# Altium PCB cheriot-test.PcbDoc (part 2 of 10)
Units mil, origin at the board's own origin, x right, y up, seen from the top; angles counter-clockwise.
Board outline 4921.26 x 3149.61 mil, 8 copper layers (Top Layer, Int1 (Sign), Int2 (GND), Int3 (Sign), Int4 (Sign), Int5 (PWR), Int6 (Sign), Bottom Layer), stack 60.424 mil thick; 468 components, 516 nets, 2293 pads, 1328 vias.
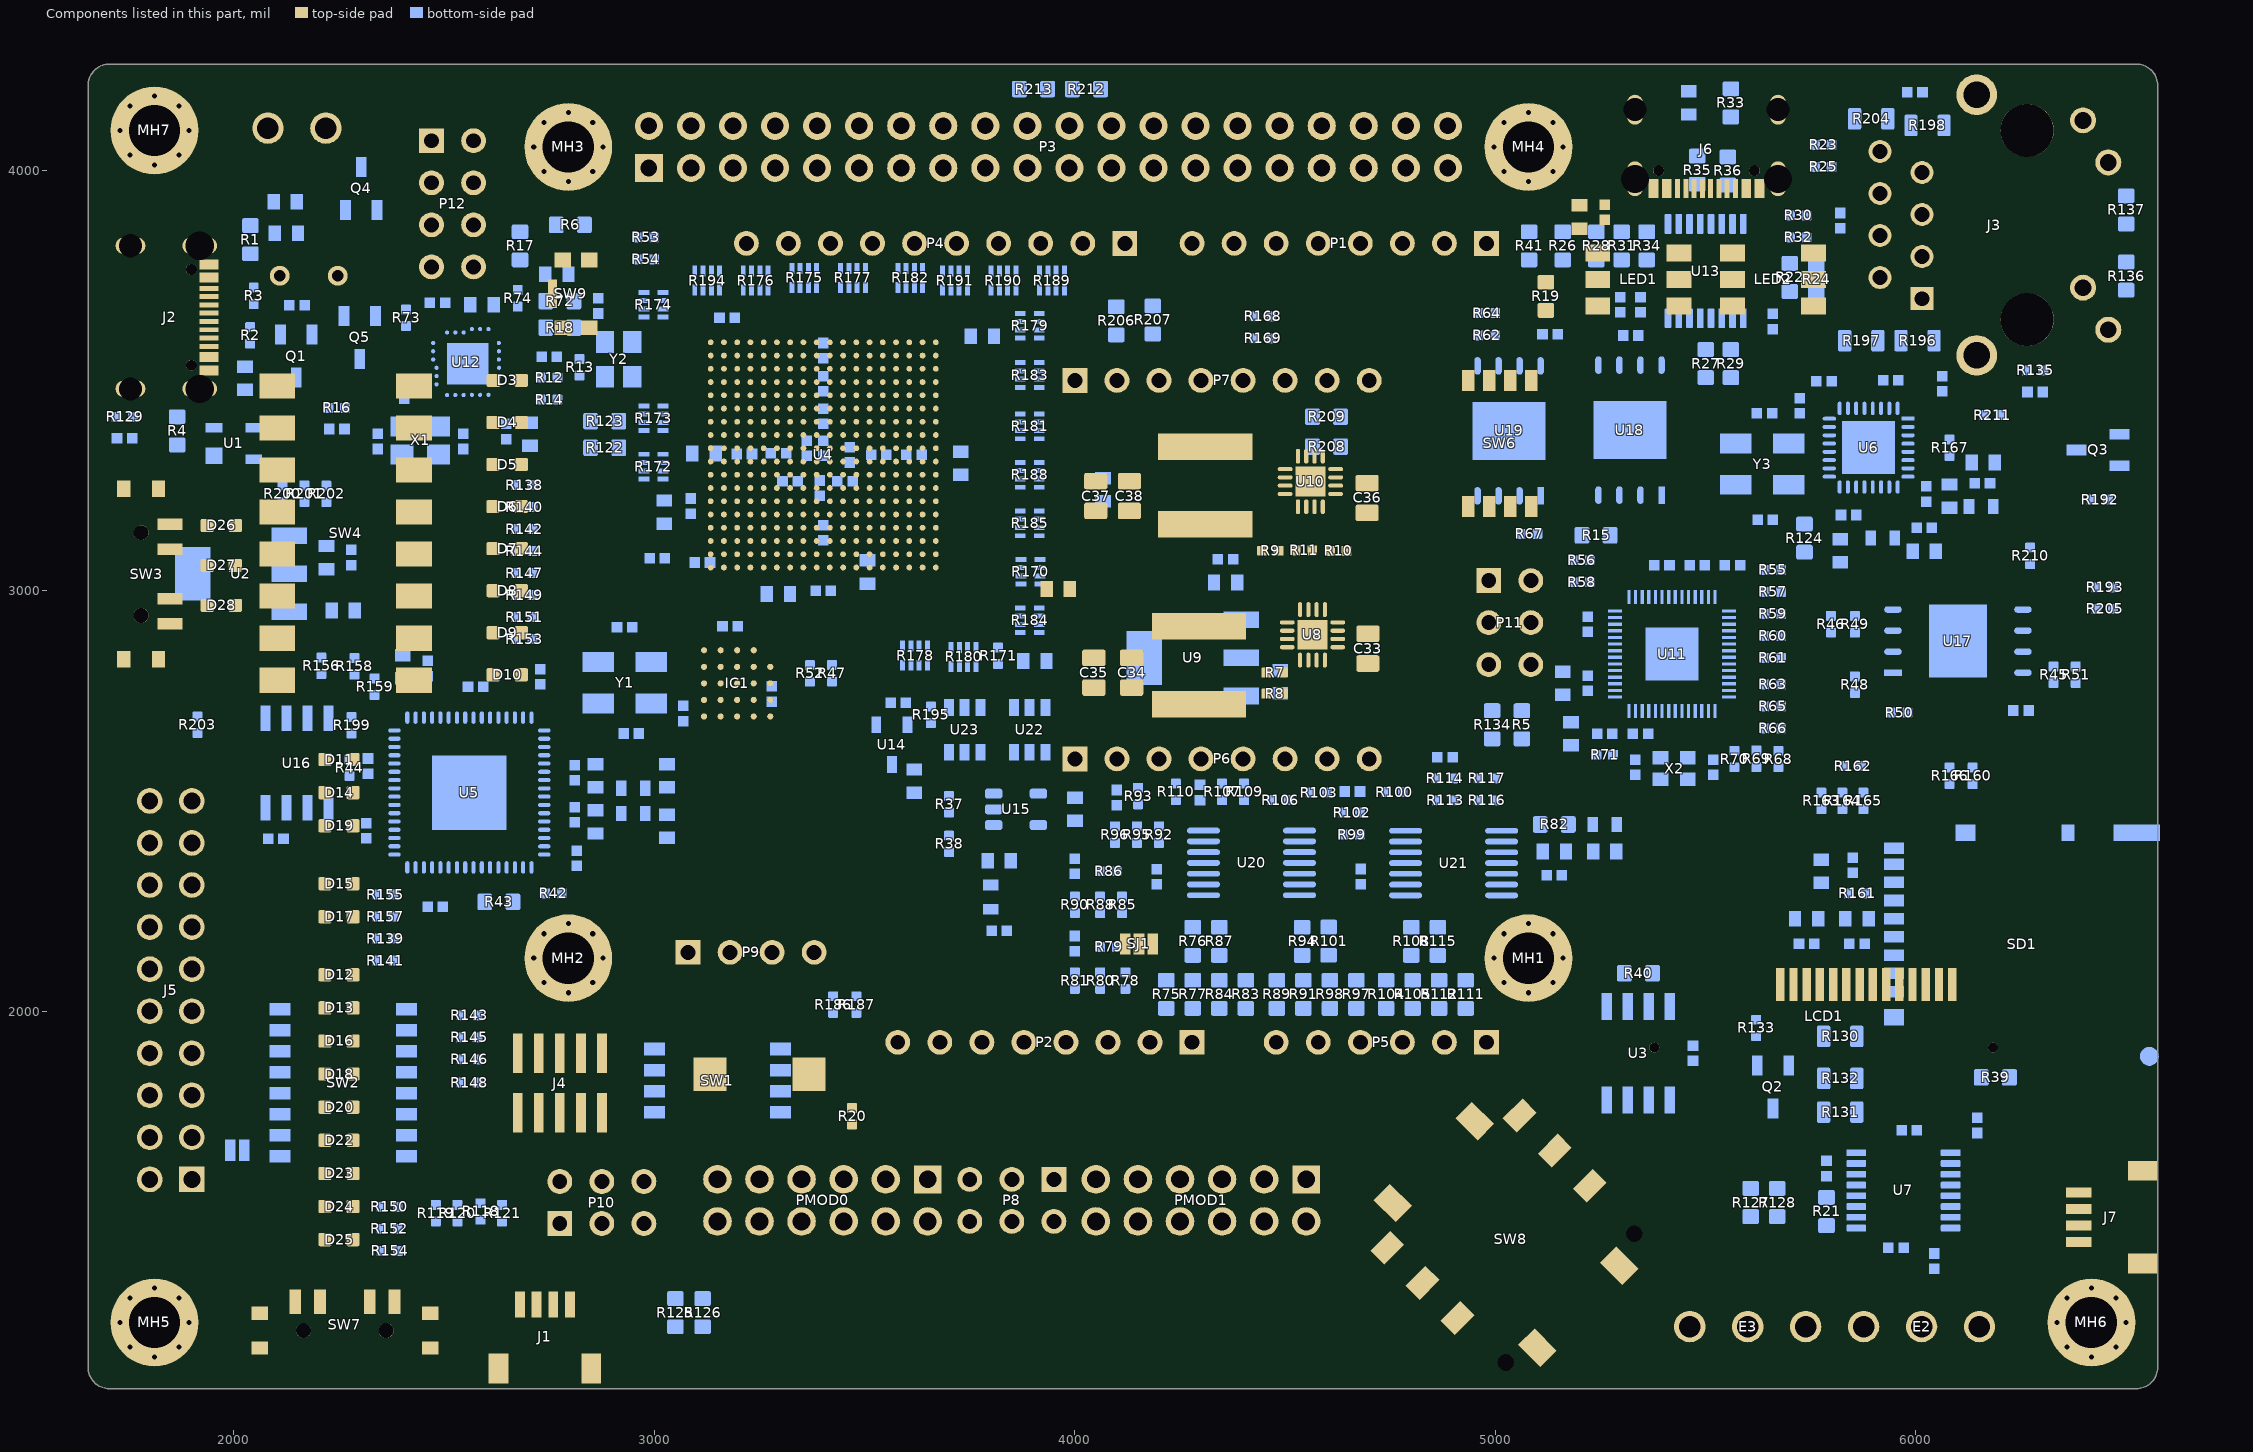
[diagram p8: the components of this part, seen from the top]

## Footprints (in the part's own frame and the unit in brackets; to place one, negate y for a bottom-side part, rotate by r counter-clockwise, add the part's x,y. Pads: shape width x height; smd on the part's side, far side on the other; paste and mask are expansions set on the pad) (continued)
FP-24-S4QFN-4x4B-0_5P-MFG [mm]
  round 0.252 smd paste+0 mask+0: 1(-1.883,1.25) 2(-1.883,0.75) 3(-1.883,0.25) 4(-2.087,-0.25) 5(-2.087,-0.75) 6(-2.087,-1.25) 7(-1.25,-1.883) 8(-0.75,-1.883) 9(-0.25,-1.883) 10(0.25,-2.087) 11(0.75,-2.087) 12(1.25,-2.087) 13(1.883,-1.25) 14(1.883,-0.75) 15(1.883,-0.25) 16(1.897,0.25) 17(1.897,0.75) 18(1.897,1.25) 19(1.25,1.883) 20(0.75,1.883) 21(0.25,1.883) 22(-0.25,1.897) 23(-0.75,1.897) 24(-1.25,1.897)
  rect 2.5x2.5 smd paste+0 mask+0: 25(0,0)
  Top Layer region: 2.228,-0.89 1.677,-0.89 1.624,-0.879 1.579,-0.849 1.548,-0.804 1.538,-0.75 1.538,-0.75 1.548,-0.696 1.579,-0.651 1.624,-0.621 1.677,-0.61 1.677,-0.61 2.228,-0.61
  Top Layer region: -2.228,1.39 -1.677,1.39 -1.624,1.379 -1.579,1.349 -1.548,1.304 -1.538,1.25 -1.538,1.25 -1.548,1.196 -1.579,1.151 -1.624,1.121 -1.677,1.11 -1.677,1.11 -2.228,1.11
  Top Layer region: -2.228,0.89 -1.677,0.89 -1.624,0.879 -1.579,0.849 -1.548,0.804 -1.538,0.75 -1.538,0.75 -1.548,0.696 -1.579,0.651 -1.624,0.621 -1.677,0.61 -1.677,0.61 -2.228,0.61
  Top Layer region: -2.228,0.39 -1.677,0.39 -1.624,0.379 -1.579,0.349 -1.548,0.304 -1.538,0.25 -1.538,0.25 -1.548,0.196 -1.579,0.151 -1.624,0.121 -1.677,0.11 -1.677,0.11 -2.228,0.11
  Top Layer region: -2.228,-0.11 -1.677,-0.11 -1.624,-0.121 -1.579,-0.151 -1.548,-0.196 -1.538,-0.25 -1.538,-0.25 -1.548,-0.304 -1.579,-0.349 -1.624,-0.379 -1.677,-0.39 -1.677,-0.39 -2.228,-0.39
  Top Layer region: -2.228,-0.61 -1.677,-0.61 -1.624,-0.621 -1.579,-0.651 -1.548,-0.696 -1.538,-0.75 -1.538,-0.75 -1.548,-0.804 -1.579,-0.849 -1.624,-0.879 -1.677,-0.89 -1.677,-0.89 -2.228,-0.89
  Top Layer region: -2.228,-1.11 -1.677,-1.11 -1.624,-1.121 -1.579,-1.151 -1.548,-1.196 -1.538,-1.25 -1.538,-1.25 -1.548,-1.304 -1.579,-1.349 -1.624,-1.379 -1.677,-1.39 -1.677,-1.39 -2.228,-1.39
  Top Layer region: 2.228,-1.39 1.677,-1.39 1.624,-1.379 1.579,-1.349 1.548,-1.304 1.538,-1.25 1.538,-1.25 1.548,-1.196 1.579,-1.151 1.624,-1.121 1.677,-1.11 1.677,-1.11 2.228,-1.11
  Top Layer region: 2.228,-0.39 1.677,-0.39 1.624,-0.379 1.579,-0.349 1.548,-0.304 1.538,-0.25 1.538,-0.25 1.548,-0.196 1.579,-0.151 1.624,-0.121 1.677,-0.11 1.677,-0.11 2.228,-0.11
  Top Layer region: 2.228,0.11 1.677,0.11 1.624,0.121 1.579,0.151 1.548,0.196 1.538,0.25 1.538,0.25 1.548,0.304 1.579,0.349 1.624,0.379 1.677,0.39 1.677,0.39 2.228,0.39
  Top Layer region: 2.228,0.61 1.677,0.61 1.624,0.621 1.579,0.651 1.548,0.696 1.538,0.75 1.538,0.75 1.548,0.804 1.579,0.849 1.624,0.879 1.677,0.89 1.677,0.89 2.228,0.89
  Top Layer region: 2.228,1.11 1.677,1.11 1.624,1.121 1.579,1.151 1.548,1.196 1.538,1.25 1.538,1.25 1.548,1.304 1.579,1.349 1.624,1.379 1.677,1.39 1.677,1.39 2.228,1.39
  Top Layer region: -1.39,-2.228 -1.39,-1.677 -1.379,-1.624 -1.349,-1.579 -1.304,-1.548 -1.25,-1.538 -1.25,-1.538 -1.196,-1.548 -1.151,-1.579 -1.121,-1.624 -1.11,-1.677 -1.11,-1.677 -1.11,-2.228
  Top Layer region: -0.89,-2.228 -0.89,-1.677 -0.879,-1.624 -0.849,-1.579 -0.804,-1.548 -0.75,-1.538 -0.75,-1.538 -0.696,-1.548 -0.651,-1.579 -0.621,-1.624 -0.61,-1.677 -0.61,-1.677 -0.61,-2.228
  Top Layer region: -0.39,-2.228 -0.39,-1.677 -0.379,-1.624 -0.349,-1.579 -0.304,-1.548 -0.25,-1.538 -0.25,-1.538 -0.196,-1.548 -0.151,-1.579 -0.121,-1.624 -0.11,-1.677 -0.11,-1.677 -0.11,-2.228
  Top Layer region: 0.11,-2.228 0.11,-1.677 0.121,-1.624 0.151,-1.579 0.196,-1.548 0.25,-1.538 0.25,-1.538 0.304,-1.548 0.349,-1.579 0.379,-1.624 0.39,-1.677 0.39,-1.677 0.39,-2.228
  Top Layer region: 0.61,-2.228 0.61,-1.677 0.621,-1.624 0.651,-1.579 0.696,-1.548 0.75,-1.538 0.75,-1.538 0.804,-1.548 0.849,-1.579 0.879,-1.624 0.89,-1.677 0.89,-1.677 0.89,-2.228
  Top Layer region: 1.11,-2.228 1.11,-1.677 1.121,-1.624 1.151,-1.579 1.196,-1.548 1.25,-1.538 1.25,-1.538 1.304,-1.548 1.349,-1.579 1.379,-1.624 1.39,-1.677 1.39,-1.677 1.39,-2.228
  Top Layer region: 1.39,2.228 1.39,1.677 1.379,1.624 1.349,1.579 1.304,1.548 1.25,1.538 1.25,1.538 1.196,1.548 1.151,1.579 1.121,1.624 1.11,1.677 1.11,1.677 1.11,2.228
  Top Layer region: 0.89,2.228 0.89,1.677 0.879,1.624 0.849,1.579 0.804,1.548 0.75,1.538 0.75,1.538 0.696,1.548 0.651,1.579 0.621,1.624 0.61,1.677 0.61,1.677 0.61,2.228
  Top Layer region: 0.39,2.228 0.39,1.677 0.379,1.624 0.349,1.579 0.304,1.548 0.25,1.538 0.25,1.538 0.196,1.548 0.151,1.579 0.121,1.624 0.11,1.677 0.11,1.677 0.11,2.228
  Top Layer region: -0.11,2.228 -0.11,1.677 -0.121,1.624 -0.151,1.579 -0.196,1.548 -0.25,1.538 -0.25,1.538 -0.304,1.548 -0.349,1.579 -0.379,1.624 -0.39,1.677 -0.39,1.677 -0.39,2.228
  Top Layer region: -0.61,2.228 -0.61,1.677 -0.621,1.624 -0.651,1.579 -0.696,1.548 -0.75,1.538 -0.75,1.538 -0.804,1.548 -0.849,1.579 -0.879,1.624 -0.89,1.677 -0.89,1.677 -0.89,2.228
  Top Layer region: -1.11,2.228 -1.11,1.677 -1.121,1.624 -1.151,1.579 -1.196,1.548 -1.25,1.538 -1.25,1.538 -1.304,1.548 -1.349,1.579 -1.379,1.624 -1.39,1.677 -1.39,1.677 -1.39,2.228
  silkscreen extent -2.77,-2.05 2.05,2.05, body extent -2,-2 2,2, height 1
FP-218-4LPSTR-MFG [mm]
  rect 1.27x0.76 smd paste+0 mask+0: 1(-3.81,1.905) 2(-3.81,0.635) 3(-3.81,-0.635) 4(-3.81,-1.905) 5(3.81,-1.905) 6(3.81,-0.635) 7(3.81,0.635) 8(3.81,1.905)
  silkscreen extent -5.15,-3.19 2.97,3.19, body extent -4.22,-3.13 4.22,3.13, height 2.65
FP-218-8LPST-MFG [mm]
  rect 1.27x0.76 smd paste+0 mask+0: 1(-3.81,4.445) 2(-3.81,3.175) 3(-3.81,1.905) 4(-3.81,0.635) 5(-3.81,-0.635) 6(-3.81,-1.905) 7(-3.81,-3.175) 8(-3.81,-4.445) 9(3.81,-4.445) 10(3.81,-3.175) 11(3.81,-1.905) 12(3.81,-0.635) 13(3.81,0.635) 14(3.81,1.905) 15(3.81,3.175) 16(3.81,4.445)
  silkscreen extent -5.14,-5.73 2.97,5.73, body extent -4.22,-5.67 4.22,5.67, height 2.65
FP-ASE-MFG [mm]
  rect 1.3x1.1 smd paste+0 mask+0: 1(-1.05,-0.825) 2(1.05,-0.825) 3(1.05,0.825) 4(-1.05,0.825)
  silkscreen extent -2.07,-2.05 2.07,1.35, body extent -1.6,-1.25 1.6,1.25, height 1.2
FP-C04-057-SN-MFG [mm]
  rect 1.55x0.6 smd paste+0 mask+0: 1(-2.7,1.905) 2(-2.7,0.635) 3(-2.7,-0.635) 4(-2.7,-1.905) 5(2.7,-1.905) 6(2.7,-0.635) 7(2.7,0.635) 8(2.7,1.905)
  silkscreen extent -4.22,-2.5 1.55,2.5, body extent -3,-2.45 3,2.45, height 1.75
FP-CUS-13TB-MFG [mm]
  rect 0.7x1.5 smd paste+0 mask+0: 1(-3,2.5) 2(-1.5,2.5) 3(1.5,2.5) 4(3,2.5)
  rect 1x0.8 smd paste+0 mask+0: 5(-5.15,1.8) 6(5.15,1.8) 7(-5.15,-0.3) 8(5.15,-0.3)
  round 0.9 hole 0.9 unplated paste-2539.97 mask+0: ""(-2.5,0.75) ""(2.5,0.75)
  silkscreen extent -4.95,-2.25 4.95,3.95, body extent -5.75,-2.35 5.75,3.35, height 0.25
FP-DM3AT-SF-PEJM5-MFG [mm]
  rect 0.7x1.2 smd paste+0 mask+0: 1(2.775,7.975) 2(1.675,7.975) 3(0.575,7.975) 4(-0.525,7.975) 5(-1.625,7.975) 6(-2.725,7.975) 7(-3.825,7.975) 8(-4.925,7.975) 9(-5.875,7.975)
  rect 1x0.8 smd paste+0 mask+0: 10(-6.825,-2.525)
  rect 1x1.2 smd paste+0 mask+0: 11(4.325,7.975) 12(-6.825,3.675)
  rect 1x2.8 smd paste+0 mask+0: 13(-6.825,-6.675)
  round 1.145 smd paste+0 mask+0: 14(6.689,-7.439)
  Top Layer region: 6.025,-6.175 7.325,-6.175 7.325,-8.075 5.475,-8.075 5.475,-7.725 5.875,-7.725 6.025,-7.575 6.025,-6.175
  Top Layer keep-out region: 2.925,-6.725 5.475,-6.725 5.475,-8.075 2.925,-8.075
  Top Layer keep-out region: -7.225,7.525 -6.475,7.525 -6.475,4.275 -7.225,4.275
  Top Layer keep-out region: -7.225,3.075 -6.475,3.075 -6.475,-0.525 -7.225,-0.525
  Top Layer keep-out region: -6.125,1.674 -5.425,1.674 -5.425,-5.926 -6.125,-5.926
  Top Layer keep-out region: -5.425,2.975 3.275,2.975 3.275,1.375 -5.425,1.375
  silkscreen extent -7.02,-8.18 7.02,9.25, body extent -6.93,-8.07 6.92,8.08, height 1.83
FP-J00-0045NL-MFG [mm]
  rect 1.39x1.39 hole 0.89 paste-2539.97 mask+0: 1(4.445,-6.345)
  round 1.39 hole 0.89 paste-2539.97 mask+0: 2(3.175,-8.885) 3(1.905,-6.345) 4(0.635,-8.885) 5(-0.635,-6.345) 6(-1.905,-8.885) 7(-3.175,-6.345) 8(-4.445,-8.885)
  round 1.57 hole 1.02 paste-2539.97 mask+0: 9(6.325,4.905) 10(3.785,3.385) 11(-3.785,4.905) 12(-6.325,3.385)
  round 2.45 hole 1.6 paste-2539.97 mask+0: 13(-7.875,-3.045) 14(7.875,-3.045)
  round 3.2 hole 3.2 unplated paste-2539.97 mask+0: ""(-5.715,0.005) ""(5.715,0.005)
  Keep-Out Layer region: -8.13,7.875 8.13,7.875 8.13,10.795 -8.13,10.795
  silkscreen extent -8.13,-10.8 8.85,10.8, body extent -9.2,-10.89 9.2,10.89, height 0.25
FP-KMR211GLFS-MFG [mm]
  rect 0.9x1 smd paste+0 mask+0: 1(-2.05,0.8) 2(2.05,0.8) 3(-2.05,-0.8) 4(2.05,-0.8)
  rect 1.7x0.55 smd paste+0 mask+0: 5(0,1.425)
  silkscreen extent -3.55,-1.68 2.88,2.15
FP-QFN55-32LD-PL-5-IPC_C [mm]
  rect 0.808x0.239 smd paste+0 mask+0: 1(-2.375,1.75)
  rrect100% 0.808x0.239 smd paste+0 mask+0: 2(-2.375,1.25) 3(-2.375,0.75) 4(-2.375,0.25) 5(-2.375,-0.25) 6(-2.375,-0.75) 7(-2.375,-1.25) 8(-2.375,-1.75) 17(2.375,-1.75) 18(2.375,-1.25) 19(2.375,-0.75) 20(2.375,-0.25) 21(2.375,0.25) 22(2.375,0.75) 23(2.375,1.25) 24(2.375,1.75)
  rrect100% 0.239x0.808 smd paste+0 mask+0: 9(-1.75,-2.375) 10(-1.25,-2.375) 11(-0.75,-2.375) 12(-0.25,-2.375) 13(0.25,-2.375) 14(0.75,-2.375) 15(1.25,-2.375) 16(1.75,-2.375) 25(1.75,2.375) 26(1.25,2.375) 27(0.75,2.375) 28(0.25,2.375) 29(-0.25,2.375) 30(-0.75,2.375) 31(-1.25,2.375) 32(-1.75,2.375)
  rect 3.2x3.2 smd paste-1000 mask+0: 33(0,0)
  silkscreen extent -3.3,-2.5 2.5,2.5, body extent -2.5,-2.5 2.5,2.5, height 1
FP-USB4105-GF-A-MFG [mm]
  rrect100% 1x2.1 hole 1.7 slot 0.6 at 0 deg paste-2539.97 mask+0: 1(-4.32,3.015) 2(4.32,3.015)
  rrect100% 1x1.8 hole 1.4 slot 0.6 at 0 deg paste-2539.97 mask+0: 3(-4.32,-1.165) 4(4.32,-1.165)
  rect 0.6x1.15 smd paste+0 mask+0: A1-B12(-3.2,3.59) A4-B9(-2.4,3.59) B1-A12(3.2,3.59) B4-A9(2.4,3.59)
  rect 0.3x1.15 smd paste+0 mask+0: A5(-1.25,3.59) A6(-0.25,3.59) A7(0.25,3.59) A8(1.25,3.59) B5(1.75,3.59) B6(0.75,3.59) B7(-0.75,3.59) B8(-1.75,3.59)
  round 0.65 hole 0.65 unplated paste-2539.97 mask+0: ""(-2.89,2.515) ""(2.89,2.515)
  silkscreen extent -4.86,-3.84 4.86,4.84, body extent -4.96,-3.94 4.96,4.27, height 0.25
HDR1X4 [mm] "Connector; Header; 4 Position"
  rect 1.5x1.5 hole 0.9: 1(0,0)
  round 1.5 hole 0.9: 2(2.54,0) 3(5.08,0) 4(7.62,0)
  silkscreen extent -1.27,-1.27 8.89,1.27
HDR1X6_SLW-106-01-T-S [mm] "Connector; Header; 6 Position"
  rect 1.5x1.5 hole 0.9: 1(0,0)
  round 1.5 hole 0.9: 2(2.54,0) 3(5.08,0) 4(7.62,0) 5(10.16,0) 6(12.7,0)
  silkscreen extent -1.27,-1.27 13.97,1.27, body extent -1.27,-1.27 13.97,1.27, height 4.58
HDR1X8_SLW-108-01-T-S [mm] "Connector; Header; 8 Position"
  rect 1.5x1.5 hole 0.9: 1(0,0)
  round 1.5 hole 0.9: 2(2.54,0) 3(5.08,0) 4(7.62,0) 5(10.16,0) 6(12.7,0) 7(15.24,0) 8(17.78,0)
  silkscreen extent -1.27,-1.27 19.05,1.27, body extent -1.27,-1.27 19.05,1.27, height 4.58
HDR1X10_SLW-110-01-T-S [mm] "Connector; Header; 10 Position"
  rect 1.5x1.5 hole 0.9: 1(0,0)
  round 1.5 hole 0.9: 2(2.54,0) 3(5.08,0) 4(7.62,0) 5(10.16,0) 6(12.7,0) 7(15.24,0) 8(17.78,0) 9(20.32,0) 10(22.86,0)
  silkscreen extent -1.27,-1.27 24.13,1.27, body extent -1.27,-1.27 24.13,1.27, height 4.57
HDR2X3 [mm] "Connector; Header; 3x2 Position"
  rect 1.5x1.5 hole 0.9: 1(0,0)
  round 1.5 hole 0.9: 2(0,2.54) 3(2.54,0) 4(2.54,2.54) 5(5.08,0) 6(5.08,2.54)
  silkscreen extent -1.27,-1.27 6.35,3.81
HDR2X3_CEN [mm] "Connector; Header; 3x2 Position"
  rect 1.5x1.5 hole 0.9: 1(0,0)
  round 1.5 hole 0.9: 2(2.54,0) 3(5.08,0) 4(0,2.54) 5(2.54,2.54) 6(5.08,2.54)
  silkscreen extent -1.27,-1.27 6.35,3.81
HDR2X3_XG8T-0641 [mm] "Connector; Header; 3x2 Position"
  rect 1.5x1.5 hole 0.9: 1(0,0)
  round 1.5 hole 0.9: 2(0,2.54) 3(2.54,0) 4(2.54,2.54) 5(5.08,0) 6(5.08,2.54)
  silkscreen extent -1.27,-1.27 6.35,3.81, body extent -1.27,-1.23 6.35,3.77, height 7.01
HDR2X4_XG8T-0841 [mm] "Connector; Header; 4x2 Position"
  rect 1.5x1.5 hole 0.9: 1(0,0)
  round 1.5 hole 0.9: 2(0,2.54) 3(2.54,0) 4(2.54,2.54) 5(5.08,0) 6(5.08,2.54) 7(7.62,0) 8(7.62,2.54)
  silkscreen extent -1.27,-1.27 8.89,3.81, body extent -1.27,-1.23 8.89,3.77, height 2.63
HDR2X20_861400402YO2LF [mm] "Connector; Header; 20x2 Position"
  rect 1.7x1.7 hole 1: 1(0,0)
  round 1.7 hole 1: 2(0,2.54) 3(2.54,0) 4(2.54,2.54) 5(5.08,0) 6(5.08,2.54) 7(7.62,0) 8(7.62,2.54) 9(10.16,0) 10(10.16,2.54) 11(12.7,0) 12(12.7,2.54) 13(15.24,0) 14(15.24,2.54) 15(17.78,0) 16(17.78,2.54) 17(20.32,0) 18(20.32,2.54) 19(22.86,0) 20(22.86,2.54) 21(25.4,0) 22(25.4,2.54) 23(27.94,0) 24(27.94,2.54) 25(30.48,0) 26(30.48,2.54) 27(33.02,0) 28(33.02,2.54) 29(35.56,0) 30(35.56,2.54) 31(38.1,0) 32(38.1,2.54) 33(40.64,0) 34(40.64,2.54) 35(43.18,0) 36(43.18,2.54) 37(45.72,0) 38(45.72,2.54) 39(48.26,0) 40(48.26,2.54)
  silkscreen extent -1.27,-1.27 49.53,3.81, body extent -1.27,-1.27 49.53,3.81, height 9.61
IND_0603 [mm] "Chip Inductor, 2-Leads, Body 1.60x0.80mm, IPC Medium Density"
  rect 0.64x0.92 smd: 1(-0.73,0) 2(0.73,0)
  Top Layer pour cut-out: -0.686,0.457 0.838,0.457 0.838,-0.457 -0.686,-0.457
  silkscreen extent -1.27,-0.64 1.27,0.64, body extent -0.82,-0.43 0.82,0.43, height 0.9
LED-0603-BLUE [mm]
  round 0.254 on Mech15: 0(0,0)
  rrect25% 0.8x0.8 smd: A(-0.85,0) K(0.85,0)
  Top Layer pour cut-out: -0.5,0.5 0.5,0.5 0.5,-0.5 -0.5,-0.5
  silkscreen extent -1.55,-0.67 1.68,0.67, body extent -0.8,-0.4 0.8,0.4, height 0.75
LED-0603-GREEN [mm]
  round 0.254 on Mech15: 0(0,0)
  rrect25% 0.8x0.8 smd: A(-0.85,0) K(0.85,0)
  Top Layer pour cut-out: -0.5,0.5 0.5,0.5 0.5,-0.5 -0.5,-0.5
  silkscreen extent -1.55,-0.67 1.68,0.67, body extent -0.8,-0.4 0.8,0.4, height 0.75
LED-0603-RED [mm]
  round 0.254 on Mech15: 0(0,0)
  rrect25% 0.8x0.8 smd: A(-0.85,0) K(0.85,0)
  Top Layer pour cut-out: -0.5,0.5 0.5,0.5 0.5,-0.5 -0.5,-0.5
  silkscreen extent -1.55,-0.67 1.68,0.67, body extent -0.8,-0.4 0.8,0.4, height 0.75
MOUNT_M3_TIGHT [mil]
  round 14 hole 12: 1(-82.21,0) 1(-58.13,-58.13) 1(-58.13,58.13) 1(0,-82.21) 1(0,82.21) 1(58.13,-58.13) 1(58.13,58.13) 1(82.21,0)
  round 208.66 hole 122.05: 1(0,0)
NR6028 [mm]
  rect 1.6x5.7 smd: 1(-2.35,0) 2(2.35,0)
  silkscreen extent -3.53,-3.2 3.51,3.2, body extent -3.15,-2.84 3.15,2.87, height 2.85
PS_3_5_90_02 [mm] "PS 3.50/02/90 3.5"
  round 1.9 hole 1.3: A1(-1.75,0) A2(1.75,0)
  silkscreen extent -3.95,-3.4 3.95,3.4, body extent -3.95,-3.4 3.95,3.4, height 8.41
PS_3_5_90_03 [mm] "PS 3.50/03/90 3.5"
  round 1.9 hole 1.3: A1(-3.5,0) A2(0,0) A3(3.5,0)
  silkscreen extent -5.7,-3.4 5.7,3.4, body extent -5.7,-3.4 5.7,3.4, height 8.41
PW0016A_L [mm] "SOP, 16-Leads, Body 5.1x4.5mm, Pitch 0.65mm, IPC High Density"
  rrect25% 1.2x0.4 smd: 1(-2.85,2.275) 2(-2.85,1.625) 3(-2.85,0.975) 4(-2.85,0.325) 5(-2.85,-0.325) 6(-2.85,-0.975) 7(-2.85,-1.625) 8(-2.85,-2.275) 9(2.85,-2.275) 10(2.85,-1.625) 11(2.85,-0.975) 12(2.85,-0.325) 13(2.85,0.325) 14(2.85,0.975) 15(2.85,1.625) 16(2.85,2.275)
  silkscreen extent -2.98,-2.55 1.85,3.15, body extent -3.21,-2.5 3.21,2.5, height 1
QFN16_50P300X300X100_HS-17M [mm] "QFN, 16-Leads, Body 3.00x3.00mm, Pitch 0.50mm, Thermal Pad 1.80x1.80mm, IPC Low Density"
  oval 0.9x0.25 smd: 1(-1.525,0.75) 2(-1.525,0.25) 3(-1.525,-0.25) 4(-1.525,-0.75) 9(1.525,-0.75) 10(1.525,-0.25) 11(1.525,0.25) 12(1.525,0.75)
  oval 0.25x0.9 smd: 5(-0.75,-1.525) 6(-0.25,-1.525) 7(0.25,-1.525) 8(0.75,-1.525) 13(0.75,1.525) 14(0.25,1.525) 15(-0.25,1.525) 16(-0.75,1.525)
  rect 1.8x1.8 smd: 17(0,0)
  silkscreen extent -2.5,-1.73 1.73,1.73, body extent -1.6,-1.6 1.6,1.6, height 1
QFN40P700X700X90-57N-D [mm]
  rect 0.85x0.2 smd: 1(-3.45,2.6) 2(-3.45,2.2) 3(-3.45,1.8) 4(-3.45,1.4) 5(-3.45,1) 6(-3.45,0.6) 7(-3.45,0.2) 8(-3.45,-0.2) 9(-3.45,-0.6) 10(-3.45,-1) 11(-3.45,-1.4) 12(-3.45,-1.8) 13(-3.45,-2.2) 14(-3.45,-2.6) 29(3.45,-2.6) 30(3.45,-2.2) 31(3.45,-1.8) 32(3.45,-1.4) 33(3.45,-1) 34(3.45,-0.6) 35(3.45,-0.2) 36(3.45,0.2) 37(3.45,0.6) 38(3.45,1) 39(3.45,1.4) 40(3.45,1.8) 41(3.45,2.2) 42(3.45,2.6)
  rect 0.2x0.85 smd: 15(-2.6,-3.45) 16(-2.2,-3.45) 17(-1.8,-3.45) 18(-1.4,-3.45) 19(-1,-3.45) 20(-0.6,-3.45) 21(-0.2,-3.45) 22(0.2,-3.45) 23(0.6,-3.45) 24(1,-3.45) 25(1.4,-3.45) 26(1.8,-3.45) 27(2.2,-3.45) 28(2.6,-3.45) 43(2.6,3.45) 44(2.2,3.45) 45(1.8,3.45) 46(1.4,3.45) 47(1,3.45) 48(0.6,3.45) 49(0.2,3.45) 50(-0.2,3.45) 51(-0.6,3.45) 52(-1,3.45) 53(-1.4,3.45) 54(-1.8,3.45) 55(-2.2,3.45) 56(-2.6,3.45)
  rect 3.2x3.2 smd: 57(0,0)
  silkscreen extent -3.98,3.1 -3.78,3.3, body extent -3.55,-3.55 3.55,3.55, height 0.9
QFN64_2_N [mm] "QFN, 64-Leads, Body 9x9mm, Pitch 0.5mm, Thermal Pad 4.5x4.5mm, IPC Medium Density"
  oval 0.75x0.25 smd: 1(-4.525,3.75) 2(-4.525,3.25) 3(-4.525,2.75) 4(-4.525,2.25) 5(-4.525,1.75) 6(-4.525,1.25) 7(-4.525,0.75) 8(-4.525,0.25) 9(-4.525,-0.25) 10(-4.525,-0.75) 11(-4.525,-1.25) 12(-4.525,-1.75) 13(-4.525,-2.25) 14(-4.525,-2.75) 15(-4.525,-3.25) 16(-4.525,-3.75) 33(4.525,-3.75) 34(4.525,-3.25) 35(4.525,-2.75) 36(4.525,-2.25) 37(4.525,-1.75) 38(4.525,-1.25) 39(4.525,-0.75) 40(4.525,-0.25) 41(4.525,0.25) 42(4.525,0.75) 43(4.525,1.25) 44(4.525,1.75) 45(4.525,2.25) 46(4.525,2.75) 47(4.525,3.25) 48(4.525,3.75)
  oval 0.25x0.75 smd: 17(-3.75,-4.525) 18(-3.25,-4.525) 19(-2.75,-4.525) 20(-2.25,-4.525) 21(-1.75,-4.525) 22(-1.25,-4.525) 23(-0.75,-4.525) 24(-0.25,-4.525) 25(0.25,-4.525) 26(0.75,-4.525) 27(1.25,-4.525) 28(1.75,-4.525) 29(2.25,-4.525) 30(2.75,-4.525) 31(3.25,-4.525) 32(3.75,-4.525) 49(3.75,4.525) 50(3.25,4.525) 51(2.75,4.525) 52(2.25,4.525) 53(1.75,4.525) 54(1.25,4.525) 55(0.75,4.525) 56(0.25,4.525) 57(-0.25,4.525) 58(-0.75,4.525) 59(-1.25,4.525) 60(-1.75,4.525) 61(-2.25,4.525) 62(-2.75,4.525) 63(-3.25,4.525) 64(-3.75,4.525)
  rect 4.5x4.5 smd: 65(0,0)
  silkscreen extent -5.47,-4.69 4.69,4.69, body extent -4.54,-4.54 4.54,4.54, height 1
RESC1005X40N#1 [mm] "Chip Resistor, Body 1.0x0.5mm, EIA 0402, IPC Medium Density"
  round 0.2 on Mech16: 0(0,0)
  rrect20% 0.6x0.6 smd: 1(-0.5,0) 2(0.5,0)
  Top Layer pour cut-out: -0.325,0.375 -0.2,0.5 0.2,0.5 0.325,0.375 0.325,-0.375 0.2,-0.5 -0.2,-0.5 -0.325,-0.375
  silkscreen extent -1.05,-0.55 1.05,0.55, body extent -0.52,-0.27 0.53,0.28, height 0.4
RESC1005X40N#2 [mm] "Chip Resistor, Body 1.0x0.5mm, EIA 0402, IPC Medium Density"
  round 0.2 on Mech15: 0(0,0)
  rrect20% 0.6x0.6 smd: 1(-0.5,0) 2(0.5,0)
  Top Layer pour cut-out: -0.325,0.375 -0.2,0.5 0.2,0.5 0.325,0.375 0.325,-0.375 0.2,-0.5 -0.2,-0.5 -0.325,-0.375
  silkscreen extent -1.05,-0.55 1.05,0.55, body extent -0.52,-0.27 0.53,0.28, height 0.4
RESC1608X55N#1 [mm] "Chip Resistor, Body 1.6x0.8mm, EIA 0603, IPC Medium Density"
  round 0.254 on Mech16: 0(0,0)
  rrect25% 0.9x1 smd: 1(-0.85,0) 2(0.85,0)
  Top Layer pour cut-out: -0.6,0.5 0.6,0.5 0.6,-0.5 -0.6,-0.5
  silkscreen extent -1.5,-0.7 1.5,0.7, body extent -0.87,-0.47 0.88,0.48, height 0.54
RESC1608X55N#2 [mm] "Chip Resistor, Body 1.6x0.8mm, EIA 0603, IPC Medium Density"
  round 0.254 on Mech15: 0(0,0)
  rrect25% 0.9x1 smd: 1(-0.85,0) 2(0.85,0)
  Top Layer pour cut-out: -0.6,0.5 0.6,0.5 0.6,-0.5 -0.6,-0.5
  silkscreen extent -1.5,-0.7 1.5,0.7, body extent -0.87,-0.47 0.88,0.48, height 0.54
RESC2012X70N [mm] "Chip Resistor, Body 2.0x1.2mm, EIA 0805, IPC Medium Density"
  round 0.254 on Mech16: 0(0,0)
  rrect25% 0.8x1.3 smd: 1(-1,0) 2(1,0)
  Top Layer pour cut-out: -0.725,0.65 -0.525,0.85 0.525,0.85 0.725,0.65 0.725,-0.65 0.525,-0.85 -0.525,-0.85 -0.725,-0.65
  silkscreen extent -1.6,-0.85 1.6,0.85, body extent -1.1,-0.67 1.1,0.68, height 0.69
SAMTEC_SSW_106_02_X_D_RA_PMOD [mil]
  rect 66x66 hole 42: 1(0,0)
  round 68 hole 42: 2(0,-100) 3(0,-200) 4(0,-300) 5(0,-400) 6(0,-500) 7(100,0) 8(100,-100) 9(100,-200) 10(100,-300) 11(100,-400) 12(100,-500)
  silkscreen extent -20,-560 500,60, body extent -8,-560 495,60, height 195
SJ_2S_NO [mil] "Solder Jumper, open (no paste)"
  rect 25x50 smd paste-393.7: 1(-16.22,0) 2(16.22,0)
  silkscreen extent -43,-39 43,39